# Allegro board 08_041351d.brd (continued)
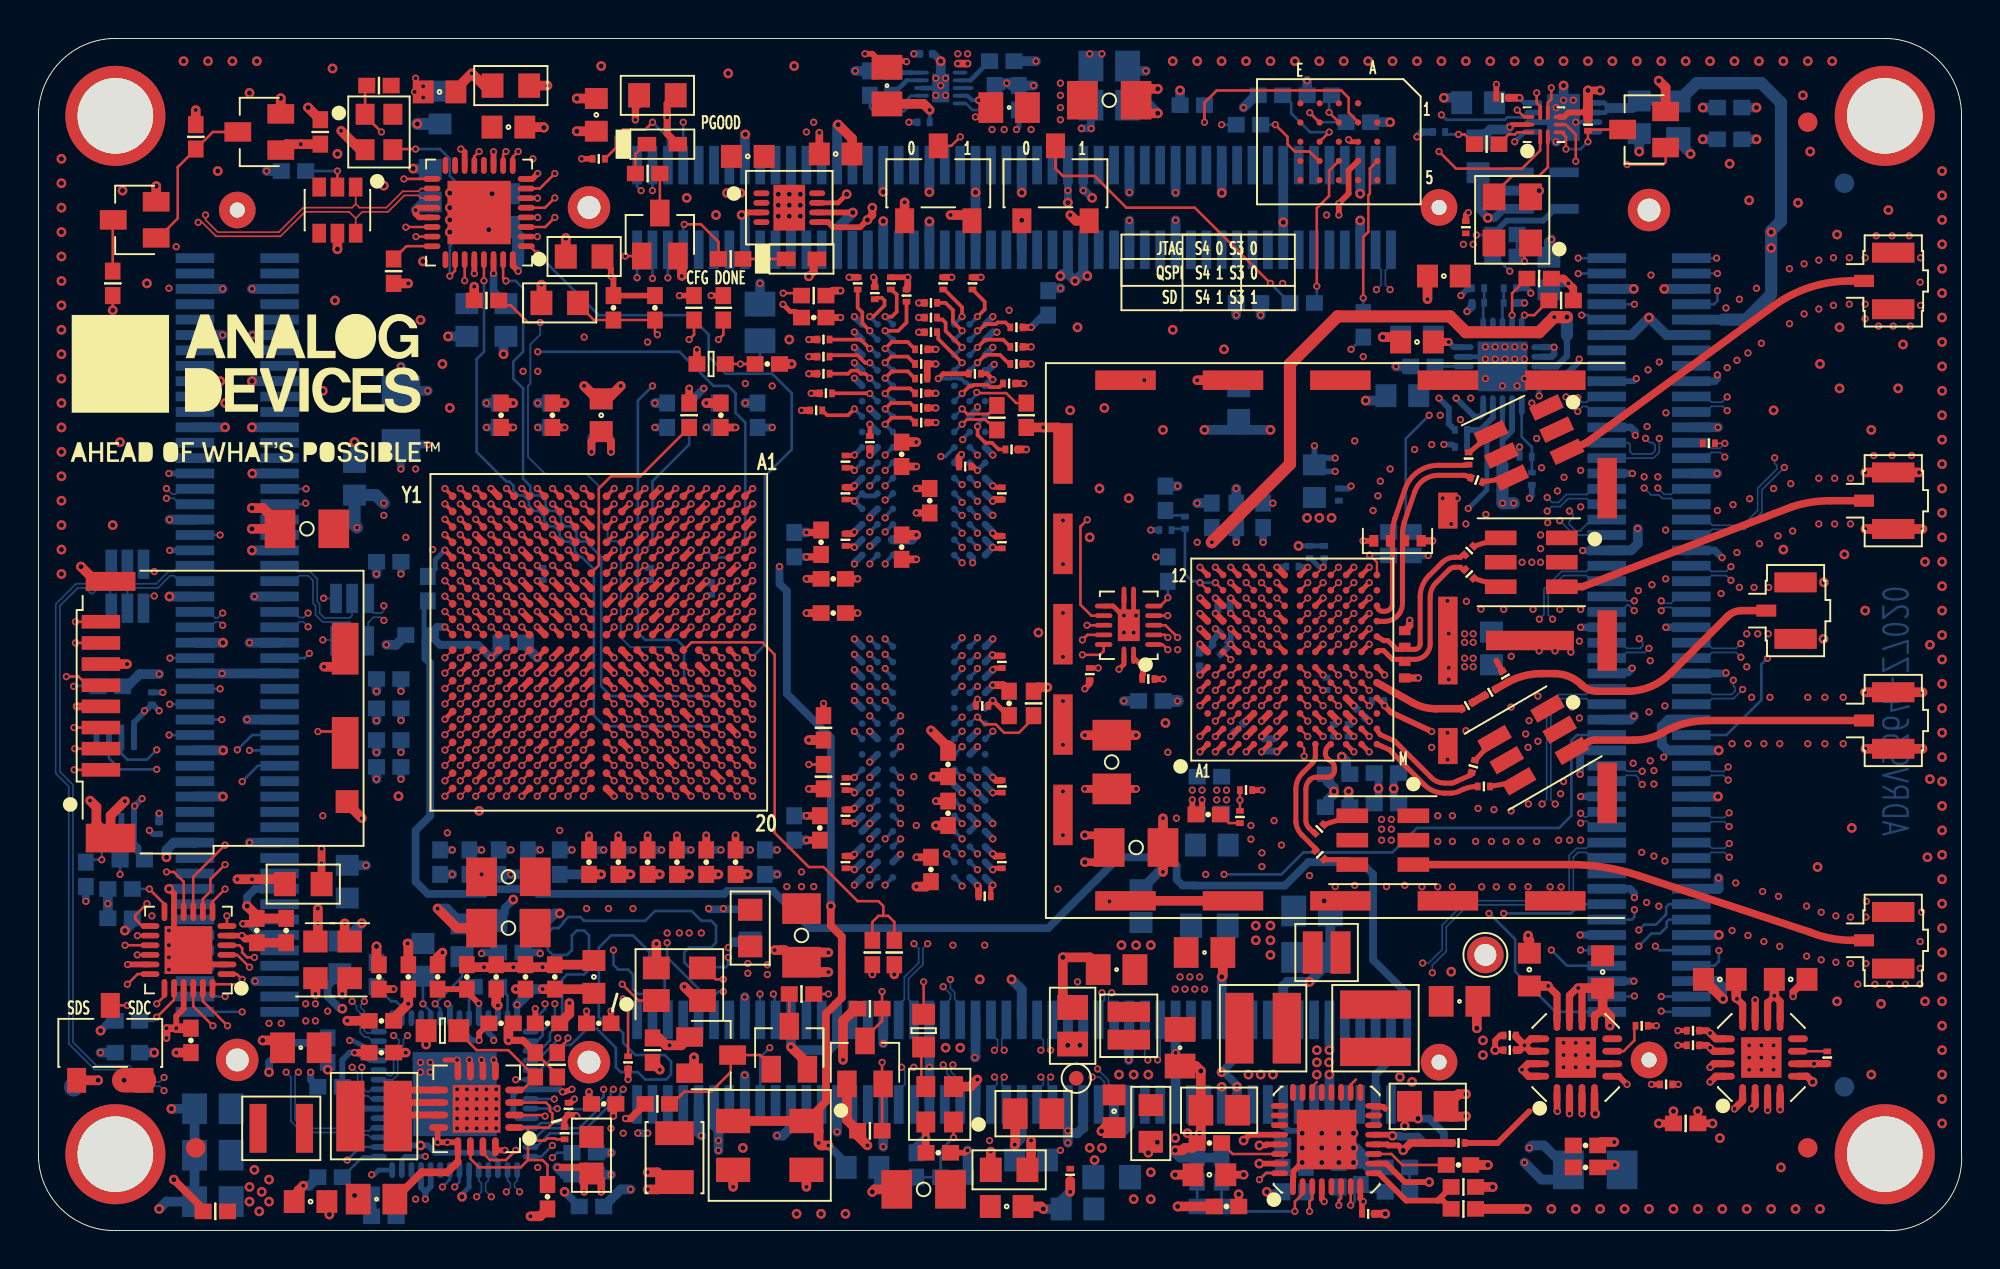
[diagram p0: board, top side]
## Routing (per net, layer and track width the routed paths; a pad name or vN(x,y) marks a point on that pad's centre or on a via; arc(x,y) is an arc through that point) (continued)
PS_MIO06_500_QSPI0_SCLK: length 51.3
  TOP w0.127: U1.A5 v1(37.14,35.39)
  TOP w0.14: U13.B2 68.62,57.66 68.12,58.15 68.12,58.91 67.74,59.29 61.27,59.29 60.63,58.66 v1(60.63,57.64)
  L3_SIGNAL w0.095: v1(60.63,57.64) 60.63,53.37 54.92,47.66 51.18,47.66 50.65,47.12 48.98,47.12 48.97,47.13 42,47.13 40.64,45.78 40.64,41.26 37.8,38.41 37.8,35.69 37.49,35.39 v1(37.14,35.39)
  BOTTOM w0.14: R116.1 v1(60.63,57.64)
PS_MIO07_500_USB_RESET_B: length 32.4
  TOP w0.127: U1.D8 v1(34.74,32.99)
  TOP w0.14: U15.27 v1(22.16,49.4)
  L6_SIGNAL w0.095: v1(22.16,49.4) 22.15,49.38 22.15,40.88 20.25,38.97 20.25,35.67 v1(20.5,35.41)
  L15_SIGNAL w0.095: v1(34.74,32.99) 34.74,32.99 34.34,33.38 26.53,33.38 26.34,33.57 26.34,33.95 26.09,34.21 22.51,34.21 22.27,34.45 22.27,34.73 22.08,34.93 20.99,34.93 v1(20.5,35.41)
  BOTTOM w0.14: R31.2 34.81,33.06 v1(34.74,32.99)
PS_MIO08_500_ETH0_RESETN: length 43.8
  TOP w0.127: U1.D5 v1(34.74,35.39)
  L16_SIGNAL w0.095: v1(34.74,35.39) 34.27,34.93 33.79,34.93 33.47,34.61 33.47,34.45 33.28,34.25 33.12,34.25 32.8,33.93 32.8,33.77 32.48,33.45 32.19,33.45 31.49,33.45 31.07,33.04 31.07,32.85 30.88,32.65 30.69,32.65 30.28,32.24 30.28,32.05 30.08,31.85 29.89,31.85 27.87,29.84 27.87,29.65 27.68,29.45 27.49,29.45 27.1,29.06 27.1,22.33 25.58,20.81 25.58,20.17 20.5,15.09 18.98,12.43 17.2,8.36 16.05,6.14 v1(16.05,3.66)
  BOTTOM w0.14: U10.16 16.73,4.34 v1(16.05,3.66) ; v1(34.74,35.39) 35.12,35 R32.2
PS_MIO09_500_USB_CLK_PD: length 39.1
  TOP w0.127: v1(36.34,35.39) U1.B5
  TOP w0.14: R27.1 16.98,59.46 Y3.1 16.98,57.98 v1(17.83,57.13)
  L6_SIGNAL w0.095: v1(25.96,45.7) 23.67,47.99 23.67,49.31 24,49.64 24,50.53 21.9,52.63 21.9,54.59 19.36,57.13 v1(17.83,57.13)
  BOTTOM w0.14: v1(36.34,35.39) 36.35,35.39 36.76,35.8 36.76,42.02 36.25,42.53 36.25,43.54 35.87,43.92 35.1,43.92 33.33,45.7 v1(25.96,45.7)
PS_MIO10_500_JX4: length 67.2
  TOP w0.127: U1.E9 v1(33.94,32.19)
  L15_SIGNAL w0.095: v1(33.94,32.19) 34.01,32.19 34.34,31.86 34.34,31.1 35.23,30.21 39.93,30.21 42.22,27.92 45.77,27.92 47.33,26.36 49.81,26.36 51.49,24.68 51.49,20.81 54.73,17.57 55.87,17.57 56.44,17 59.3,17 62.79,13.51 66.92,13.51 67.49,12.94 73.71,12.94 73.97,13.19 73.97,15.09 74.6,15.73 76.19,15.73 76.82,16.36 81.18,16.36 82.75,14.79 v1(83.21,14.79)
  BOTTOM w0.14: v1(83.21,14.79) 83.87,15.45 84.33,15.45 84.66,15.78 84.66,16.04 84.79,16.17 JX4.87
PS_MIO11_500_JX4: length 60.6
  TOP w0.127: U1.C6 v1(35.54,34.59)
  L15_SIGNAL w0.095: v1(35.54,34.59) 35.55,34.59 35.99,35.03 37.26,35.03 39.42,32.87 40.69,32.87 40.95,32.62 49.3,32.62 50.66,31.26 50.66,30.21 51.55,29.32 51.55,27.67 53.07,26.14 53.46,26.14 54.66,24.94 54.66,23.92 58.6,19.98 61.39,19.98 63.36,18.02 66.35,18.02 67.24,18.9 80.76,18.9 v1(82.98,16.68)
  BOTTOM w0.14: v1(82.98,16.68) 82.98,16.3 82.85,16.17 JX4.88
PS_MIO12_500_JX4: length 58.8
  TOP w0.127: U1.D9 v1(34.74,32.19)
  L15_SIGNAL w0.095: v1(34.74,32.19) 34.74,32.1 35.11,31.73 36.48,31.73 36.8,31.41 36.8,31.25 36.99,31.05 37.06,31.05 37.64,30.46 40.57,30.46 42.22,28.81 45.77,28.81 47.42,27.16 49.46,27.16 51.8,24.81 51.8,22.33 53.07,21.06 54.6,21.06 55.42,20.24 55.42,18.59 56.63,17.38 59.43,17.38 62.98,13.82 71.17,13.82 73.39,16.05 75.74,16.05 v1(76.19,16.49)
  BOTTOM w0.14: v1(76.19,16.49) 79.68,16.49 80.16,16.97 JX4.86
PS_MIO13_500_JX4: length 64.6
  TOP w0.127: U1.E8 v1(33.94,32.99)
  L15_SIGNAL w0.095: v1(33.94,32.99) 33.97,32.99 34.34,32.62 38.03,32.62 39.74,30.91 40.75,30.91 41.23,30.43 48.98,30.43 49.2,30.21 49.2,29.76 49.39,29.57 49.84,29.57 50.47,28.94 50.47,27.16 52.44,25.19 52.44,22.58 53.25,21.78 54.9,21.78 56.14,20.54 56.14,18.88 56.93,18.1 59.72,18.1 60.95,16.87 64.48,16.87 65.25,16.11 69.01,16.11 69.78,16.87 81.13,16.87 82.78,15.22 83.64,15.22 v1(84.08,14.79)
  BOTTOM w0.14: v1(84.08,14.79) 84.29,14.57 JX4.91
PS_MIO14_500_JX4: length 67.2
  TOP w0.127: U1.C5 v1(35.54,35.39)
  L15_SIGNAL w0.095: v1(35.54,35.39) 35.54,35.46 35.87,35.8 37.77,35.8 39.17,34.4 39.17,34.14 40.18,33.13 48.67,33.13 48.68,33.11 49.33,33.11 50.98,31.46 50.98,30.33 51.87,29.45 51.87,27.79 53.2,26.46 54.34,26.46 57.08,23.73 79.49,23.73 80,23.22 81.97,23.22 85.9,19.29 85.9,16.03 v1(87.38,14.56)
  BOTTOM w0.14: v1(87.38,14.56) 87.38,14 87.15,13.77 JX4.93
PS_MIO15_500_JX4: length 63.1
  TOP w0.127: U1.C8 v1(35.54,32.99)
  L15_SIGNAL w0.095: v1(35.54,32.99) 35.6,32.99 35.99,33.38 37.77,33.38 39.87,31.29 49.58,31.29 50.03,30.84 50.03,29.89 50.85,29.06 50.85,27.35 52.76,25.44 52.76,22.71 53.33,22.14 55.42,22.14 58.31,19.25 59.08,19.25 61.08,17.25 64.82,17.25 65.58,16.49 68.63,16.49 69.39,17.25 81.21,17.25 82.83,15.63 v1(83.21,15.63)
  BOTTOM w0.14: JX4.85 84.78,16.97 84.63,16.82 84.63,16.44 84.1,15.91 83.49,15.91 v1(83.21,15.63)
PS_MIO16_501_ETH0_TX_CLK: length 43
  TOP w0.127: U1.A19 v1(37.14,23.39)
  L16_SIGNAL w0.095: v1(29.39,7.35) 29.39,7.6 30.15,8.36 30.15,9.89 30.41,10.14 30.66,10.14 30.79,10.01 30.79,8.74 30.91,8.62 31.29,8.62 31.42,8.49 31.42,6.71 31.68,6.46 33.45,6.46 33.71,6.71 33.71,7.09 33.45,7.35 33.33,7.35 33.07,7.6 33.07,8.74 33.2,8.87 33.33,8.87 33.45,8.74 33.45,8.11 33.71,7.86 35.36,7.86 35.61,8.11 35.61,10.9 34.72,11.79 34.72,14.97 34.98,15.22 34.98,15.73 34.85,15.86 33.58,15.86 33.45,15.98 33.45,16.36 33.58,16.49 34.47,16.49 34.6,16.36 36.12,16.36 36.37,16.62 36.37,17.25 36.5,17.38 36.88,17.38 37.01,17.51 37.01,17.76 36.88,17.89 36.5,17.89 36.37,18.02 36.37,19.79 36.63,20.05 36.63,20.56 37.52,21.44 37.52,23.01 v1(37.14,23.39)
  BOTTOM w0.14: v1(29.39,7.35) 29.39,6.97 28.73,6.31 27.69,6.31 27.45,6.07 27.45,5.78 27.27,5.59 26.11,5.59 25.86,5.34 U10.53
PS_MIO17_501_ETH0_TX_D0: length 41.9
  TOP w0.127: U1.E14 v1(33.94,27.39)
  L16_SIGNAL w0.095: v1(33.94,27.39) 34.38,26.94 34.38,20.41 34.47,20.33 34.47,18.27 33.75,17.55 32.99,17.55 30.41,14.97 30.41,14.46 30.91,13.95 33.45,13.95 33.71,13.7 33.71,13.19 33.58,13.06 33.45,13.06 33.2,12.81 32.31,12.81 32.18,12.68 32.18,12.43 32.31,12.3 33.58,12.3 33.71,12.17 33.71,11.41 33.45,11.16 33.2,11.16 33.07,11.28 33.07,11.54 32.95,11.67 32.69,11.67 32.56,11.54 32.56,11.28 32.44,11.16 32.06,11.16 31.93,11.28 31.93,12.05 31.8,12.17 31.42,12.17 31.29,12.05 31.29,11.28 31.17,11.16 30.91,11.16 30.79,11.28 30.79,12.3 30.66,12.43 28.75,12.43 28.26,11.93 28.26,11.65 28.16,11.55 28.16,11.52 27.47,10.83 26.9,10.83 26.09,10.01 26.09,6.99 26.24,6.84 v1(26.82,6.84)
  BOTTOM w0.14: U10.50 26.82,6.84 v1(26.82,6.84)
PS_MIO18_501_ETH0_TX_D1: length 42
  TOP w0.127: U1.B18 v1(36.34,24.19)
  L16_SIGNAL w0.095: v1(26.98,6.34) 27.36,6.34 27.48,6.22 27.48,4.81 27.74,4.55 28.25,4.55 28.5,4.81 28.5,6.59 28.25,6.84 28.25,7.35 27.91,7.69 26.55,7.69 26.34,7.89 26.34,8.19 26.55,8.4 27.1,8.4 27.36,8.65 27.36,9.09 27.1,9.35 26.56,9.35 26.31,9.6 26.31,9.86 27.06,10.61 27.56,10.61 27.61,10.65 27.65,10.65 28.08,11.07 28.64,11.07 28.84,11.27 28.84,11.62 29.01,11.79 29.9,11.79 30.28,11.41 30.28,11.03 30.41,10.9 31.8,10.9 32.06,10.65 32.06,10.27 32.31,10.01 33.07,10.01 33.33,10.27 33.33,10.65 33.58,10.9 33.71,10.9 34.09,11.28 34.09,13.7 33.58,14.21 31.55,14.21 31.29,14.46 31.29,15.48 33.07,17.25 33.96,17.25 34.98,18.27 34.98,20.33 35.07,20.43 35.07,21.2 35.99,22.12 35.99,23.86 36.32,24.19 v1(36.34,24.19)
  BOTTOM w0.14: v1(26.98,6.34) U10.51
PS_MIO19_501_ETH0_TX_D2: length 43.9
  TOP w0.127: U1.D10 v1(34.74,31.39)
  L16_SIGNAL w0.095: v1(29.9,7.35) 29.9,7.6 30.53,8.24 30.79,8.24 31.04,7.98 31.04,5.57 31.17,5.44 32.44,5.44 32.69,5.19 33.33,5.19 33.58,5.44 33.58,5.7 35.87,7.98 35.87,11.03 34.98,11.92 34.98,14.84 37.39,17.25 37.39,20.94 37.77,21.32 37.77,24.11 37.26,24.62 37.01,24.62 36.76,24.87 36.76,26.02 36.52,26.25 36.15,26.25 35.87,26.52 35.87,26.73 35.68,26.93 35.45,26.93 35.2,27.18 35.2,29.19 35.45,29.45 35.67,29.45 35.87,29.65 35.87,29.93 35.87,29.94 35.87,30.26 v1(34.74,31.39)
  BOTTOM w0.14: v1(29.9,7.35) 29.75,7.2 29.75,6.95 28.12,5.32 26.35,5.32 25.87,4.84 U10.54
PS_MIO20_501_ETH0_TX_D3: length 42.6
  TOP w0.127: U1.A17 v1(37.14,24.99)
  L16_SIGNAL w0.095: v1(37.14,24.99) 37.4,24.99 38.28,24.11 38.28,21.44 37.64,20.81 37.64,17.13 35.23,14.71 35.23,12.05 36.12,11.16 36.12,6.59 34.98,5.44 34.47,5.44 33.96,4.93 33.96,3.92 33.45,3.41 28.25,3.41 27.99,3.66 27.99,3.92 28.25,4.17 28.88,4.17 29.14,4.43 29.14,5.7 30.41,6.97 v1(30.41,7.35)
  BOTTOM w0.14: U10.55 25.88,4.34 26.59,5.06 28.23,5.06 30.26,7.08 30.26,7.2 v1(30.41,7.35)
PS_MIO21_501_ETH0_TX_CTL: length 41.8
  TOP w0.127: v1(33.14,27.39) U1.F14
  L16_SIGNAL w0.095: v1(33.14,27.39) 32.8,27.05 32.8,19.54 32.56,19.31 32.56,18.9 32.8,18.67 32.8,18.37 31.68,17.25 30.66,17.25 30.53,17.13 30.53,16.11 29.26,14.84 27.74,14.84 27.61,14.71 27.61,14.33 27.74,14.21 30.28,14.21 30.79,13.7 33.07,13.7 33.2,13.57 33.2,13.32 33.07,13.19 31.93,13.19 31.8,13.06 31.8,12.68 31.68,12.55 31.04,12.55 30.91,12.68 30.91,13.06 30.79,13.19 28.37,13.19 28.25,13.06 28.25,12.43 27.99,12.17 27.99,11.7 27.94,11.64 27.94,11.61 27.56,11.23 26.41,11.23 25.83,10.65 25.83,5.32 v1(26.72,4.43)
  BOTTOM w0.14: U10.56 26.14,3.84 v1(26.72,4.43)
PS_MIO22_501_ETH0_RX_CLK: length 42.9
  TOP w0.127: v1(36.34,24.99) 36.33,24.99 35.94,25.38 U1.B17
  L16_SIGNAL w0.095: v1(27.01,10.01) 27.01,10.09 27.27,10.35 27.7,10.35 28.19,10.85 28.37,10.85 28.5,10.72 28.5,10.4 28.63,10.27 29.01,10.27 29.14,10.4 29.14,11.03 29.26,11.16 29.52,11.16 29.64,11.03 29.64,10.4 29.77,10.27 30.02,10.27 30.28,10.52 31.04,10.52 31.17,10.4 31.17,9.13 31.29,9 31.68,9 31.8,8.87 31.8,7.73 32.06,7.47 32.56,7.47 32.82,7.73 32.82,9.13 33.07,9.38 33.45,9.38 33.71,9.13 33.71,8.49 34.09,8.11 35.1,8.11 35.36,8.36 35.36,10.52 35.23,10.65 34.98,10.65 34.85,10.52 34.85,9.89 34.72,9.76 34.47,9.76 34.34,9.89 34.34,13.95 33.71,14.59 32.28,14.59 32.27,14.57 31.82,14.57 31.68,14.71 31.68,15.22 33.38,16.93 34.4,16.93 35.99,18.52 35.99,20.33 35.91,20.41 35.91,21.23 36.76,22.08 36.76,24.37 36.34,24.79 v1(36.34,24.99)
  BOTTOM w0.14: v1(27.01,10.01) 27.01,9.92 26.87,9.78 26.87,9.78 25.93,8.84 U10.46
PS_MIO23_501_ETH0_RX_D0: length 42.3
  TOP w0.127: U1.D11 v1(34.74,29.79)
  L16_SIGNAL w0.095: v1(34.74,29.79) 34.7,29.83 33.71,29.83 33.21,29.33 32.19,29.33 31.87,29.01 31.87,28.85 31.68,28.65 31.51,28.65 31.17,28.3 31.17,21.95 31.04,21.83 30.41,21.83 30.28,21.95 30.28,26.91 30.15,27.03 29.64,27.03 29.52,26.91 29.52,21.32 29.64,21.19 31.17,21.19 31.29,21.06 31.29,20.3 31.17,20.17 29.9,20.17 29.77,20.05 29.77,19.54 29.9,19.41 30.28,19.41 30.41,19.29 30.41,18.65 30.28,18.52 29.77,18.52 29.01,17.76 28.63,17.76 27.51,16.64 27.51,16.32 27.27,16.09 26.95,16.09 26.72,15.86 26.34,15.86 26.21,15.73 26.21,14.8 26.23,14.8 26.43,14.6 26.43,14.27 26.37,14.21 26.37,14.05 26.85,13.57 v1(26.85,11.79)
  BOTTOM w0.14: v1(26.85,11.79) 26.85,11.03 26.21,10.4 26.21,10.14 25.92,9.84 U10.44
PS_MIO24_501_ETH0_RX_D1: length 42
  TOP w0.127: U1.A16 v1(37.14,25.79)
  L16_SIGNAL w0.095: v1(37.14,25.79) 37.14,25.76 38.66,24.24 38.66,21.32 37.9,20.56 37.9,16.24 v1(35.87,14.21)
  BOTTOM w0.14: U10.45 26.05,9.34 26.6,9.89 26.6,10.27 27.23,10.9 27.23,13.06 27.48,13.32 28.37,13.32 28.63,13.57 28.63,15.35 28.37,15.6 27.99,15.6 27.74,15.35 27.74,14.59 27.48,14.33 26.74,14.33 26.49,14.59 26.49,15.48 26.74,15.73 27.04,15.73 27.29,15.98 27.29,16.05 27.54,16.3 28.18,16.3 28.37,16.11 31.55,16.11 32.06,16.62 33.96,16.62 34.47,16.11 34.98,16.11 35.23,15.86 35.23,14.97 34.98,14.71 33.83,14.71 33.58,14.46 33.58,13.95 33.83,13.7 35.74,13.7 35.87,13.82 v1(35.87,14.21)
PS_MIO25_501_ETH0_RX_D2: length 43.9
  TOP w0.127: v1(33.14,26.59) U1.F15
  L16_SIGNAL w0.095: v1(33.14,26.59) 33.58,26.14 33.58,20.05 33.33,19.79 33.33,18.52 29.9,15.09 v1(29.9,14.59)
  BOTTOM w0.14: U10.47 26.07,8.34 27.38,9.65 27.68,9.65 28.53,10.5 29.04,10.5 30.02,9.51 30.02,8.49 30.28,8.24 31.17,8.24 31.55,7.86 32.64,7.86 32.89,8.11 32.89,8.8 32.56,9.13 31.04,9.13 30.41,9.76 30.41,10.27 29.9,10.78 29.46,10.78 29.14,11.1 29.14,14.71 29.77,15.35 30.91,15.35 31.77,14.5 31.77,13.57 32.02,13.32 32.31,13.32 32.56,13.06 32.56,12.55 32.31,12.3 31.17,12.3 30.91,12.55 30.91,13.32 30.66,13.57 30.15,13.57 29.9,13.82 v1(29.9,14.59)
PS_MIO26_501_ETH0_RX_D3: length 41.9
  TOP w0.127: U1.A15 v1(37.14,26.59)
  L16_SIGNAL w0.095: v1(24.82,7.84) 24.82,4.81 25.45,4.17 25.45,2.9 25.79,2.56 33.62,2.56 34.98,3.92 34.98,5.06 36.37,6.46 36.37,14.08 38.41,16.11 38.41,17.89 38.79,18.27 38.79,20.68 39.04,20.94 39.04,24.68 v1(37.14,26.59)
  BOTTOM w0.14: U10.48 v1(24.82,7.84)
PS_MIO27_501_ETH0_RX_CTL: length 41.8
  TOP w0.127: U1.D13 v1(34.74,28.19)
  L16_SIGNAL w0.095: v1(34.74,28.19) 34.34,28.58 34.34,29.32 34.09,29.57 33.83,29.57 33.58,29.32 33.58,27.92 33.45,27.79 32.82,27.79 32.69,27.92 32.69,28.3 32.67,28.32 32.67,28.33 32.48,28.53 32.47,28.53 32.44,28.56 32.18,28.56 31.93,28.3 31.93,21.44 32.18,21.19 32.18,20.3 31.8,19.92 31.8,17.89 31.55,17.63 29.9,17.63 29.64,17.38 29.01,17.38 28.88,17.25 28.88,16.49 29.01,16.36 29.64,16.36 29.77,16.24 29.77,16.11 29.64,15.98 27.48,15.98 27.36,15.87 27.24,15.87 27.23,15.86 27.23,15.6 27.36,15.48 29.14,15.48 29.26,15.35 29.26,15.22 29.14,15.09 27.1,15.09 26.98,14.97 26.98,13.95 27.1,13.82 30.02,13.82 30.15,13.7 30.15,13.57 30.02,13.44 27.52,13.44 27.27,13.19 27.27,11.69 27.03,11.45 26.68,11.45 v1(26.34,11.79)
  BOTTOM w0.14: U10.43 25.59,10.78 26.34,11.53 v1(26.34,11.79)
PS_MIO28_501_USB0_D4: length 38.6
  TOP w0.127: U1.C16 v1(35.54,25.79)
  TOP w0.14: v1(26.85,54.97) 26.07,54.19 U15.7
  L6_SIGNAL w0.095: v1(26.85,54.97) 26.87,54.95 26.87,54.69 26.95,54.62 27.64,54.62 27.79,54.47 27.79,54.33 27.61,54.16 26.65,54.16 26.42,53.93 26.42,53.5 26.51,53.41 26.51,52.55 26.98,52.08 26.98,50.55 28.75,48.77 28.75,41.64 29.14,41.26 29.14,31.86 29.37,31.62 29.37,30.86 30.4,29.84 30.4,29.65 30.59,29.45 30.78,29.45 31.2,29.04 31.2,28.85 31.52,28.53 31.68,28.53 31.87,28.33 31.87,28.17 32.32,27.73 32.48,27.73 32.8,27.41 32.8,27.25 33.12,26.93 34.88,26.93 35.07,26.73 35.07,26.25 v1(35.54,25.79)
PS_MIO29_501_USB0_DIR: length 32.9
  TOP w0.127: U1.C13 v1(35.54,28.19)
  TOP w0.14: v1(24.31,49.38) 24.16,49.53 U15.31
  BOTTOM w0.14: v1(35.54,28.19) 35.5,28.19 35.1,27.79 29.77,27.79 29.26,28.3 29.26,35.03 28.47,35.83 28.19,35.83 27.97,36.04 27.97,36.32 27.67,36.63 27.39,36.63 27.17,36.84 27.17,37.12 26.87,37.43 26.59,37.43 26.37,37.64 26.37,37.92 26.07,38.23 25.79,38.23 25.57,38.44 25.57,38.72 25.2,39.1 25.2,43.8 24.69,44.3 24.69,45.19 25.2,45.7 25.2,49 24.82,49.38 v1(24.31,49.38)
PS_MIO30_501_USB0_STP: length 34.7
  TOP w0.127: U1.C15 v1(35.54,26.59)
  TOP w0.14: U15.29 v1(23.16,49.39)
  BOTTOM w0.14: v1(35.54,26.59) 35.54,26.57 35.19,26.23 29.43,26.23 28.88,26.78 28.88,34.4 28.25,35.03 28.19,35.03 27.9,35.32 27.9,35.54 27.61,35.83 27.39,35.83 27.1,36.12 27.1,36.34 26.81,36.63 26.59,36.63 26.3,36.92 26.3,37.14 26.01,37.43 25.79,37.43 25.5,37.72 25.5,37.94 25.21,38.23 24.99,38.23 24.7,38.52 24.7,38.74 24.49,38.95 24.33,38.95 22.79,40.49 22.79,45.32 23.17,45.7 23.17,49.38 v1(23.16,49.39)
PS_MIO31_501_USB0_NXT: length 35.3
  TOP w0.127: U1.E16 v1(33.94,25.79)
  TOP w0.14: U15.2 v1(25.94,51.69)
  L6_SIGNAL w0.095: v1(33.94,25.79) 33.61,25.79 33.28,25.45 32.99,25.45 32.8,25.65 32.8,25.93 32.48,26.25 32.2,26.25 32,26.45 32,26.73 31.68,27.05 31.39,27.05 31.2,27.25 31.2,27.53 30.88,27.85 30.59,27.85 30.4,28.05 30.4,28.33 30.08,28.65 29.79,28.65 29.6,28.85 29.6,29.33 29.37,29.56 29.37,29.87 28.91,30.33 28.91,31.26 28.66,31.51 28.66,31.54 28.35,31.85 28.19,31.85 28,32.05 28,33.93 28.48,34.41 28.48,34.77 28,35.25 28,38.84 27.7,39.14 27.7,43.71 26.8,44.61 26.8,46.79 26.98,46.97 27.48,46.97 27.61,47.1 27.61,47.48 27.48,47.61 26.89,47.61 26.8,47.7 26.8,48.06 26.85,48.11 27.48,48.11 27.61,48.24 27.61,48.62 27.48,48.75 26.88,48.75 26.8,48.83 26.8,49.05 26.47,49.38 26.47,51.16 v1(25.94,51.69)
PS_MIO32_501_USB0_D0: length 38.5
  TOP w0.127: U1.A14 v1(37.14,27.39)
  TOP w0.14: v1(26.85,52.69) 26.35,52.19 U15.3
  L6_SIGNAL w0.095: v1(37.14,27.39) 36.8,27.05 35.19,27.05 35.07,27.16 35.07,27.53 34.75,27.85 32.99,27.85 32.8,28.05 32.8,28.33 32.48,28.65 32.2,28.65 32,28.85 32,29.13 31.68,29.45 31.39,29.45 31.2,29.65 31.2,29.93 30.08,31.05 29.79,31.05 29.6,31.25 29.6,31.71 29.37,31.93 29.37,38.82 29.6,39.05 29.6,39.44 30.15,39.99 30.15,41.09 29.6,41.64 29.6,45.08 29.54,45.14 29.54,48.14 30.13,48.72 30.13,49.99 29.92,50.2 29.92,50.6 29.8,50.73 29.57,50.73 28.63,49.79 28.14,49.79 27.84,50.1 27.84,51.82 26.98,52.69 v1(26.85,52.69)
PS_MIO33_501_USB0_D1: length 36.3
  TOP w0.127: U1.D15 v1(34.74,26.59)
  TOP w0.14: U15.4 v1(25.96,52.69)
  L6_SIGNAL w0.095: v1(34.74,26.59) 34.29,26.14 33.58,26.14 33.47,26.25 32.99,26.25 32.8,26.45 32.8,26.73 32.48,27.05 32.2,27.05 32,27.25 32,27.53 31.68,27.85 31.39,27.85 31.2,28.05 31.2,28.33 30.88,28.65 30.59,28.65 30.4,28.85 30.4,29.13 30.08,29.45 29.79,29.45 29.6,29.65 29.6,30.13 29.14,30.59 29.14,31.35 28.88,31.6 28.88,38.84 27.99,39.73 27.99,45.16 27.9,45.26 27.2,45.26 27.1,45.35 27.1,45.54 27.2,45.64 27.9,45.64 27.99,45.73 27.99,45.92 27.9,46.02 27.2,46.02 27.1,46.11 27.1,46.3 27.2,46.4 27.9,46.4 27.99,46.49 27.99,48.88 26.72,50.15 26.72,51.67 25.96,52.44 v1(25.96,52.69)
PS_MIO34_501_USB0_D2: length 38.6
  TOP w0.127: U1.A12 v1(37.14,28.99)
  TOP w0.14: U15.5 26.34,53.19 v1(26.85,53.7)
  L6_SIGNAL w0.095: v1(37.14,28.99) 36.8,28.65 32.99,28.65 32.67,28.97 32.67,29.13 32.48,29.33 32.32,29.33 31.87,29.77 31.87,29.93 31.68,30.13 31.52,30.13 30.27,31.37 30.27,31.53 30.08,31.73 29.92,31.73 29.6,32.05 29.6,38.73 29.85,38.98 29.85,39.27 30.41,39.83 30.41,41.38 29.9,41.89 29.9,47.91 30.41,48.42 30.41,50.07 30.15,50.32 30.15,52.1 30.02,52.23 29.8,52.23 29.67,52.1 29.67,51.16 29.49,50.99 29.36,50.99 29.21,51.14 29.21,51.45 29.12,51.54 29.08,51.54 28.83,51.8 28.25,51.8 27.36,52.69 27.36,52.94 26.85,53.45 v1(26.85,53.7)
PS_MIO35_501_USB0_D3: length 34.8
  TOP w0.127: v1(33.14,28.99) U1.F12
  TOP w0.14: U15.6 v1(25.95,53.69)
  L6_SIGNAL w0.095: v1(33.14,28.99) 32.8,29.33 32.8,29.81 32.48,30.13 32.32,30.13 31.2,31.25 31.2,31.41 30.88,31.73 30.72,31.73 30.4,32.05 30.4,38.73 30.65,38.98 30.65,50.34 30.85,50.54 30.85,50.82 30.53,51.14 30.53,53.45 29.2,54.78 27.8,54.78 27.26,55.33 25.63,55.33 25.45,55.15 25.45,54.19 v1(25.95,53.69)
PS_MIO36_501_USB0_CLK: length 32.8
  TOP w0.127: U1.A11 v1(37.14,29.79)
  TOP w0.14: v1(25.96,50.78) 25.55,51.19 U15.1
  BOTTOM w0.14: v1(25.96,50.78) 29.14,47.61 33.83,47.61 34.85,46.59 34.85,45.45 35.74,44.56 38.15,44.56 39.17,43.54 39.17,40.62 37.77,39.22 37.77,30.46 37.14,29.83 v1(37.14,29.79)
PS_MIO37_501_USB0_D5: length 34.3
  TOP w0.127: U1.A10 v1(37.14,31.39)
  TOP w0.14: v1(24.94,56.12) 24.66,55.83 U15.9
  L6_SIGNAL w0.095: v1(31.68,46.21) 31.68,46.46 31.29,46.84 31.29,49.24 31.47,49.41 31.47,50.74 30.79,51.42 30.79,53.6 29.29,55.1 28.11,55.1 27.09,56.12 v1(24.94,56.12)
  L12_SIGNAL w0.095: v1(31.68,46.21) 31.68,45.45 32.95,44.18 32.95,41.89 35.36,39.48 36.25,39.48 36.8,38.93 36.8,37.65 36.99,37.45 37.28,37.45 37.52,37.21 37.52,31.77 v1(37.14,31.39)
PS_MIO38_501_USB0_D6: length 38.3
  TOP w0.127: U1.E13 v1(33.94,28.19)
  TOP w0.14: v1(24.31,56.12) 24.16,55.97 U15.10
  L6_SIGNAL w0.095: v1(24.31,56.12) 24.75,56.56 28.18,56.56 31.04,53.7 31.04,51.67 31.8,50.91 31.8,50.4 32.31,49.89 32.31,46.94 32.56,46.7 32.56,44.55 v1(31.93,43.92)
  BOTTOM w0.14: v1(31.93,43.92) 31.17,43.16 31.17,31.1 31.55,30.72 33.2,30.72 33.57,30.34 33.57,28.56 33.94,28.2 v1(33.94,28.19)
PS_MIO39_501_USB0_D7: length 39.3
  TOP w0.127: U1.C18 v1(35.54,24.19)
  TOP w0.14: v1(22.91,56.12) 22.66,55.87 U15.13
  L6_SIGNAL w0.095: v1(35.54,24.19) 35.14,24.26 34.88,24.53 33.66,24.53 32.99,24.65 32.8,24.85 32.8,25.01 32.48,25.33 32.32,25.33 32,25.65 32,25.81 31.68,26.13 31.52,26.13 31.2,26.45 31.2,26.61 30.88,26.93 30.72,26.93 30.4,27.25 30.4,27.41 30.08,27.73 29.92,27.73 29.26,28.38 29.26,29.32 29.14,29.45 27.99,31.22 27.99,31.35 27.87,31.47 27.87,31.53 27.68,31.73 27.52,31.73 27.2,32.05 27.2,38.46 26.58,43.42 26.58,46.97 25.6,49.51 25.6,52.05 v1(22.91,56.12)
PS_MIO40_501_SD0_CLK: length 33.1
  TOP w0.127: U1.D14 v1(34.74,27.39)
  TOP w0.14: U11.9 8.05,18.39 v1(9.7,20.05)
  L7_SIGNAL w0.095: v1(34.74,27.39) 34.74,27.4 34.34,27.79 20.12,27.79 19.61,27.29 16.94,27.29 v1(9.7,20.05)
PS_MIO41_501_SD0_CMD: length 36.5
  TOP w0.127: U1.C17 35.14,25.38 35.53,24.99 v1(35.54,24.99)
  TOP w0.14: v1(11.23,14.21) 10.85,14.21 10.59,14.46 10.59,14.69 10.44,14.84 U11.4
  L4_SIGNAL w0.095: v1(33.83,15.48) 33.83,15.03 32.44,13.63 27.04,13.63 26.6,14.07 12,14.07 11.86,14.21 v1(11.23,14.21)
  L15_SIGNAL w0.095: v1(33.83,15.48) 34.22,15.86 34.22,17.25 34.98,18.02 35.02,18.02 35.02,18.66 35.1,18.75 35.1,24.62 35.47,24.99 v1(35.54,24.99)
PS_MIO42_501_SD0_DATA0: length 41
  TOP w0.127: U1.E12 v1(33.94,28.99)
  TOP w0.14: U11.6 v1(9.8,16.36)
  L4_SIGNAL w0.095: v1(9.8,16.36) 11.29,16.36 12.31,15.35 17.01,15.35 17.58,15.92 25.01,15.92 25.77,15.16 26.4,15.16 27.32,14.25 30.51,14.25 32.18,15.92 32.88,15.92 v1(33.33,15.48)
  L15_SIGNAL w0.095: v1(33.33,15.48) 33.96,16.11 33.96,17.51 34.34,17.89 34.34,28.56 33.94,28.96 v1(33.94,28.99)
PS_MIO43_501_SD0_DATA1: length 46.4
  TOP w0.127: U1.A9 v1(37.14,32.19)
  TOP w0.14: U11.7 9.05,17.11 v1(9.7,17.76)
  L16_SIGNAL w0.095: v1(9.7,17.76) 9.7,18.27 13.39,21.95 13.39,32.49 14.53,33.64 19.61,33.64 20.12,34.14 32.37,34.14 32.67,34.45 32.67,34.73 32.99,35.05 33.28,35.05 33.47,35.25 33.47,35.56 33.71,35.8 34.98,35.8 35.2,35.58 35.2,35.25 35.39,35.05 35.68,35.05 36,34.73 36,34.45 36.19,34.25 36.52,34.25 36.76,34.02 36.76,32.62 37.14,32.24 v1(37.14,32.19)
PS_MIO44_501_SD0_DATA2: length 40.2
  TOP w0.127: v1(33.14,28.19) U1.F13
  TOP w0.14: U11.1 10.32,13.34 v1(10.59,13.06)
  L4_SIGNAL w0.095: v1(32.69,15.48) 32.12,15.48 30.6,13.95 27.1,13.95 26.21,14.84 25.52,14.84 24.88,15.48 17.64,15.48 16.82,14.65 10.78,14.65 10.34,14.21 10.34,13.32 v1(10.59,13.06)
  L15_SIGNAL w0.095: v1(33.14,28.19) 33.14,28.11 33.58,27.67 33.58,18.75 33.49,18.66 33.49,18.38 33.58,18.3 33.58,16.36 v1(32.69,15.48)
PS_MIO45_501_SD0_DATA3: length 38.7
  TOP w0.127: v1(36.34,26.59) U1.B15
  TOP w0.14: U11.3 10.34,14.34 v1(10.97,13.7)
  L4_SIGNAL w0.095: v1(10.97,13.7) 22.15,13.7 22.53,13.32 32.75,13.32 34.47,15.03 v1(34.47,15.48)
  L15_SIGNAL w0.095: v1(36.34,26.59) 36.34,26.49 35.91,26.06 35.91,18.06 35.23,17.38 35.23,16.24 v1(34.47,15.48)
PS_MIO46_501_JX4: length 60.9
  TOP w0.127: U1.D16 v1(34.74,25.79)
  TOP w0.14: R37.2 v1(40.06,24.24)
  L15_SIGNAL w0.095: v1(34.74,25.79) 34.75,25.79 35.21,26.25 35.68,26.25 35.87,26.45 35.87,26.66 36.25,27.03 37.26,27.03 v1(40.06,24.24) 41.71,24.24 41.96,23.98 49.96,23.98 50.22,23.73 50.22,19.48 54.22,15.48 57.96,15.48 58.28,15.16 58.28,11.98 58.79,11.47 76.57,11.47 78.28,13.19 78.79,13.19 v1(80.19,14.59)
  BOTTOM w0.14: v1(80.19,14.59) 80.25,14.59 80.27,14.57 JX4.92
PS_MIO47_501_JX4: length 59.6
  TOP w0.127: v1(36.34,27.39) U1.B14
  TOP w0.305: R26.1 v1(40.82,27.41)
  L15_SIGNAL w0.095: v1(78.67,14.59) 78.67,13.88 77.97,13.19 77.01,13.19 75.68,11.86 59.11,11.86 58.6,12.36 58.6,15.28 58.09,15.79 54.34,15.79 50.53,19.6 50.53,23.86 50.03,24.37 44.38,24.37 43.87,24.87 42.72,24.87 41.07,26.52 41.07,27.16 v1(40.82,27.41) 40.44,27.79 36.76,27.79 36.35,27.39 v1(36.34,27.39)
  BOTTOM w0.14: v1(78.67,14.59) 79.48,13.77 JX4.94
PS_MIO48_501_JX4: length 64.5
  TOP w0.127: v1(36.34,28.99) U1.B12
  L15_SIGNAL w0.095: v1(36.34,28.99) 36.66,28.99 36.99,29.33 40.17,29.33 42.4,27.1 46.08,27.1 47.61,25.57 49.71,25.57 51.17,24.11 51.17,20.62 55.17,16.62 59.17,16.62 63.26,12.53 75.28,12.53 76.51,13.76 76.51,15.54 77.01,16.05 81.07,16.05 83.81,13.3 83.81,11.98 v1(84.38,11.41)
  BOTTOM w0.14: v1(84.38,11.41) 84.42,11.37 JX4.99
PS_MIO49_501_JX4: length 64.4
  TOP w0.127: U1.C12 v1(35.54,28.99)
  L15_SIGNAL w0.095: v1(35.54,28.99) 35.56,28.99 35.99,28.56 40.31,28.56 42.47,26.4 45.23,26.4 46.88,24.75 50.09,24.75 50.85,23.98 50.85,20.49 55.04,16.3 58.98,16.3 61.01,14.27 61.01,13 61.84,12.17 75.36,12.17 76.82,13.63 76.82,15.41 77.14,15.73 80.93,15.73 83.42,13.24 83.42,12.63 v1(82.98,12.2)
  BOTTOM w0.14: v1(82.98,12.2) 82.96,12.17 81.55,12.17 JX4.98
PS_MIO50_501_SD0_CD: length 81.3
  TOP w0.127: v1(36.34,28.19) U1.B13
  TOP w0.14: U5.8 78.08,58.47 77.9,58.66 v1(77.9,59.16)
  L16_SIGNAL w0.095: v1(77.9,59.16) 77.24,59.16 77.15,59.25 74.94,59.25 71.3,55.61 64.82,55.61 60,50.78 50.98,50.78 49.29,49.09 49.29,35.39 49.33,35.35 49.33,32.75 49.2,32.62 49.2,20.98 48.95,20.72 42.17,20.72 41.01,21.89 41.01,24.17 40.44,24.75 40.06,24.75 38.53,26.27 38.53,27.67 37.55,28.65 36.85,28.65 36.39,28.19 v1(36.34,28.19)
PS_MIO51_501_JX4: length 59.3
  TOP w0.127: v1(36.34,32.19) U1.B9
  L15_SIGNAL w0.095: v1(75.43,16.49) 69.9,16.49 69.14,15.73 65.08,15.73 64.31,16.49 60.82,16.49 59.57,17.74 56.78,17.74 55.78,18.74 55.78,20.39 54.75,21.42 53.16,21.42 52.12,22.46 52.12,25 50.09,27.03 50.09,28.49 49.84,28.75 46.72,28.75 45.9,29.57 41.77,29.57 40.66,30.68 39.42,30.68 38.26,31.85 36.99,31.85 36.66,32.19 v1(36.34,32.19)
  BOTTOM w0.14: v1(75.43,16.49) 75.44,16.49 76.79,15.15 76.79,13.47 78.88,11.37 JX4.100
PS_MIO52_501_ETH0_MDC: length 41.7
  TOP w0.127: U1.C10 v1(35.54,31.39)
  L4_SIGNAL w0.095: v1(21.64,2.27) 21.9,2.52 25.83,2.52 25.96,2.65 v1(25.96,3.28)